# KiCad board After Huzaifa Antuley fixed DRC.kicad_pcb (continued)
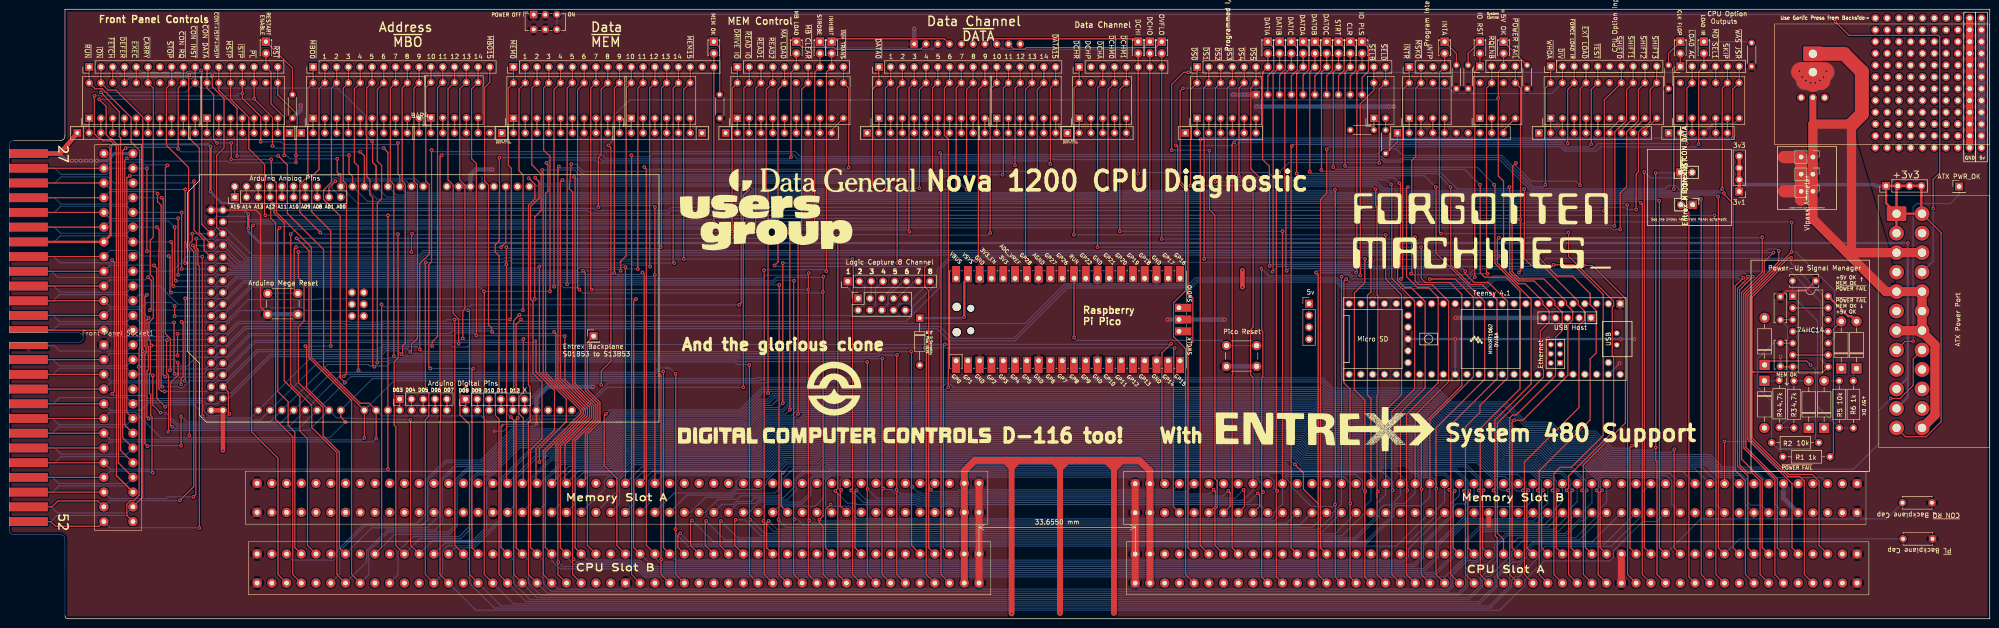
[diagram p0: board, top side]
## Routing (per net, layer and track width the routed paths; a pad name or vN(x,y) marks a point on that pad's centre or on a via; arc(x,y) is an arc through that point) (continued)
~{MBO12}: length 501.1
  Top w0.25: 113.51,59.98 v2(113.48,59.94) 113.51,59.91 113.51,53.21 117.49,49.23 117.49,40.69 113.51,36.7 113.51,29.43 J15.39 ; v1(31.94,91.69) 31.94,89.94 32.73,89.15 32.73,50.27 v1(32.96,50.04) ; v1(96.84,59.31) 96.84,64.65 95.65,65.84 95.65,93.55 94.53,94.66 94.53,114.26 BAR4.18 J6.13 ; Front Panel Socket1.30 J5.30 ; J2.39 336.56,15.29 336.56,27.38 v1(336.87,27.69)
  Bottom w0.25: v1(32.96,50.04) 36.42,50.04 36.64,49.82 37.32,49.82 38.81,51.31 43.91,51.31 45.18,52.58 46.04,52.58 53.06,59.6 96.55,59.6 v1(96.84,59.31) 97.12,59.6 113.13,59.6 v2(113.48,59.94) ; Front Panel Socket1.30 21.71,92.13 31.51,92.13 v1(31.94,91.69) ; v1(336.87,27.69) 336.49,28.07 336.49,29.86 334.55,31.81 330.74,31.81 328.72,33.83 321.74,33.83 317.83,37.74 307.04,37.74 304.18,40.61 281.56,40.61 279.93,42.24 172.04,42.24 170.85,41.05 164.25,41.05 160.48,37.29 132.95,37.29 129.42,33.76 118.94,33.76 114.39,29.21 J15.39
~{MBO13}: length 498.8
  Top w0.25: v1(339.92,27.69) 339.66,27.43 339.66,15.36 J2.37 ; J6.14 BAR4.17 97.08,114.26 97.08,94.66 98.19,93.55 98.19,66.88 97.73,66.42 v1(97.73,60.45) ; 110.55,29.21 110.77,29.43 110.77,43.28 109.84,44.22 109.84,47.83 110.77,48.77 110.77,60.29 v1(110.81,60.33) 110.77,60.36 ; v1(33.59,52.2) 33.18,52.61 33.18,90.58 33.09,90.68 v1(32.83,90.81) 32.96,90.81
  Bottom w0.25: J5.4 9.72,90.81 11.11,89.41 25.26,89.41 Front Panel Socket1.4 v1(32.83,90.81) ; v1(33.59,52.2) 33.68,52.11 43.03,52.11 44.85,53.93 46.75,53.93 52.87,60.05 97.32,60.05 v1(97.73,60.45) 98.13,60.05 110.53,60.05 v1(110.81,60.33) ; 110.55,29.21 111.22,29.21 116.67,34.66 129.05,34.66 132.58,38.19 160.11,38.19 163.87,41.95 170.47,41.95 171.66,43.14 280.3,43.14 281.94,41.51 304.55,41.51 307.42,38.64 318.2,38.64 322.11,34.73 329.09,34.73 331.11,32.71 336.82,32.71 339.74,29.79 339.74,27.87 v1(339.92,27.69)
~{MBO14}: length 463.8
  Top w0.25: J2.43 330.21,15.29 330.21,27.38 v1(330.52,27.69) ; v1(35.62,52.83) 35.5,52.96 v1(35.5,63.88) ; J15.43 119.74,29.55 119.74,37.59 125.5,43.36 125.5,45.79 119.74,51.56 119.74,60.92 v1(119.7,60.96) 119.74,61 ; v1(100.65,61.09) 100.65,98.17 99.61,99.21 99.61,114.26 BAR4.16 J6.15
  Bottom w0.25: v1(330.52,27.69) 330.21,28 330.21,29.79 327.97,32.03 320.99,32.03 317.08,35.94 306.3,35.94 303.43,38.81 280.82,38.81 279.18,40.44 172.78,40.44 171.59,39.25 164.99,39.25 161.23,35.49 133.71,35.49 130.18,31.96 122.83,31.96 J15.43 ; J5.12 9.46,65.41 10.79,64.08 25.33,64.08 Front Panel Socket1.12 28.31,63.75 34.74,63.75 34.86,63.88 v1(35.5,63.88) ; v1(35.62,52.83) 41.85,52.83 42.78,53.77 43.99,53.77 45.34,55.12 46.04,55.12 51.97,61.05 95.82,61.05 96.43,61.65 100.08,61.65 v1(100.65,61.09) 100.69,61.05 119.61,61.05 v1(119.7,60.96)
~{MBO15}: length 502
  Top w0.25: v1(104.08,61.85) 103.95,61.98 103.95,62.74 103.27,63.42 103.27,93.55 102.44,94.37 102.44,114.6 103.55,115.7 ; J2.41 333.38,15.29 333.38,27.38 v1(333.69,27.69) ; v1(34.61,53.59) 34.7,53.68 34.7,60.4 33.63,61.47 33.63,97.32 v1(34.1,97.79) ; J6.16 103.57,115.72 ; J15.41 117.78,30.09 117.78,37.59 117.79,37.59 124.16,43.96 124.16,45.15 117.78,51.53 117.78,61.48 v1(117.41,61.85) ; Front Panel Socket1.28 J5.28
  Bottom w0.25: J15.41 120.55,32.86 129.8,32.86 133.33,36.39 160.86,36.39 164.62,40.15 171.22,40.15 172.41,41.34 279.55,41.34 281.19,39.71 303.8,39.71 306.67,36.84 317.46,36.84 321.36,32.93 328.34,32.93 330.37,30.91 332.27,30.91 333.38,29.79 333.38,28 v1(333.69,27.69) ; v1(34.61,53.59) 34.86,53.85 42.23,53.85 44.85,56.47 46.75,56.47 51.78,61.5 94.93,61.5 95.54,62.1 103.82,62.1 v1(104.08,61.85) 104.43,61.5 117.06,61.5 v1(117.41,61.85) ; Front Panel Socket1.28 21.71,98.48 28.33,98.48 28.89,97.92 33.97,97.92 v1(34.1,97.79)
~{MD SEL1}: length 233.5
  Top w0.25: v1(254.06,117.86) 253.13,117.86 250.49,115.22 v1(250.49,101.07) ; v1(258.64,100.97) 258.64,88.21 259.81,87.03 259.81,30.24 260.31,29.75 260.31,24.1 259.81,23.6 259.81,15.83 J2.87 ; J17.4 BAR16.17
  Bottom w0.25: v1(250.49,101.07) 258.54,101.07 v1(258.64,100.97) ; J17.4 366.43,117.82 254.1,117.82 v1(254.06,117.86) 254.03,117.82
~{MEM0}: length 491.9
  Top w0.25: v1(107.89,64.52) 108.19,64.82 108.19,97.13 107.52,97.79 107.52,114.45 BAR5.20 J7.1 ; 5.27,61.85 5.66,62.23 Front Panel Socket1.39 ; J3.71 96,15.82 96,64.46 v1(95.95,64.52) 96,64.57
  Bottom w0.25: J3.71 99.18,12.65 99.18,7.68 104.57,2.29 319.12,2.29 319.61,2.78 ; J16.71 351.91,27.28 351.91,22.31 345.22,15.62 330.9,15.62 329.69,14.41 329.69,13.39 325.31,9.02 324.55,9.02 323.79,8.25 323.79,6.96 319.61,2.78 ; 319.61,2.78 319.24,2.41 ; Front Panel Socket1.39 21.78,60.83 34.24,60.83 34.87,60.2 43.5,60.2 44.85,61.55 46.75,61.55 49.34,64.14 73.31,64.14 73.48,63.97 80.37,63.97 80.54,64.14 93.92,64.14 94.3,64.52 v1(95.95,64.52) v1(107.89,64.52)
~{MEM1}: length 491.6
  Top w0.25: v1(98.87,66.55) 99.18,66.24 99.18,50.93 97.14,48.89 97.14,43.95 99.18,41.91 99.18,9.55 J3.70 ; J7.2 BAR5.19 109.84,114.22 109.84,96.62 110.73,95.73 110.73,66.59 v1(110.68,66.55) 110.73,66.5 ; Front Panel Socket1.41 J5.41 ; v1(36.26,61.47) v1(36.26,56.77)
  Bottom w0.25: 36.26,56.64 v1(36.26,56.77) 28.31,56.77 27.88,57.21 21.71,57.21 Front Panel Socket1.41 ; v1(110.68,66.55) v1(98.87,66.55) 98.79,66.47 63.95,66.47 63.36,67.06 54.88,67.06 54.29,66.47 49.77,66.47 46.04,62.74 45.18,62.74 43.91,61.47 v1(36.26,61.47) ; J3.70 105.97,2.77 318.96,2.77 323.33,7.14 323.33,9.6 326.96,13.23 326.96,14.44 328.66,16.13 343.85,16.13 J16.70
~{MEM2}: length 434.7
  Top w0.25: 135.95,13.97 134.56,15.37 134.56,68.45 v1(135.07,68.96) ; J7.3 BAR5.18 112.6,114.45 112.6,97.92 114.6,95.92 114.6,88.01 113.22,86.63 v1(113.22,68.96)
  Bottom w0.25: v1(135.07,68.96) 135.02,69.01 113.27,69.01 v1(113.22,68.96) 113.18,69.01 66.69,69.01 66.59,68.91 65.89,68.91 65.82,68.84 51.5,68.84 46.75,64.09 44.85,64.09 42.99,62.23 Front Panel Socket1.13 25.33,63.56 10.79,63.56 9.57,62.38 J5.13 ; J16.47 315.66,26.8 313.63,24.77 313.63,24.77 311.85,24.77 311.08,24 311.08,22.13 304.74,15.78 304.74,13.23 302.8,11.29 138.64,11.29 135.95,13.97
~{MEM3}: length 499.7
  Top w0.25: 37.02,63.88 v1(37.15,64.01) 37.46,63.7 37.46,52.2 37.02,51.76 v1(37.02,50.55) 37.02,50.42 ; 102.36,70.67 v1(102.3,70.61) 102.36,70.56 102.36,49.17 102.22,49.03 102.22,43.6 102.36,43.47 102.36,9.55 J3.68 ; J7.4 BAR5.17 115.15,114.45 115.15,101.09 116.52,99.71 v1(116.52,70.61) ; Front Panel Socket1.43 J5.43
  Bottom w0.25: J3.68 108.69,3.22 316.87,3.22 320.61,6.96 320.61,8.89 323.99,12.27 325.36,12.27 326.51,13.41 326.51,13.72 ; J16.68 341.13,16.58 328.43,16.58 326.51,14.66 326.51,13.72 ; Front Panel Socket1.43 21.71,50.86 36.71,50.86 v1(37.02,50.55) ; 326.51,14.51 326.51,13.72 ; v1(116.52,70.61) v1(102.3,70.61) 101.37,71.55 52.31,71.55 46.04,65.28 45.18,65.28 43.91,64.01 v1(37.15,64.01)
~{MEM4}: length 402
  Top w0.25: J7.5 BAR5.16 117.4,114.16 117.4,71.65 v1(117.41,71.63) ; 165.85,71.94 v1(165.93,72.01) 165.85,21.39 v1(165.8,21.34) 165.85,21.28 165.85,9.55 J3.28 ; v1(35.62,67.44) v1(35.62,65.28) ; Front Panel Socket1.37 J5.37
  Bottom w0.25: Front Panel Socket1.37 21.71,67.26 28.71,67.26 29.66,68.2 34.86,68.2 v1(35.62,67.44) ; J16.28 280.76,19.71 167.43,19.71 v1(165.8,21.34) ; v1(35.62,65.28) 43.5,65.28 44.69,66.47 46.59,66.47 52.12,72 117.04,72 v1(117.41,71.63) 117.78,72 118.94,72 119.52,71.41 122.27,71.41 122.85,72 165.91,72 v1(165.93,72.01)
~{MEM5}: length 402.6
  Top w0.25: v1(120.21,72.14) 120.22,72.15 120.22,114.49 BAR5.15 121.35,115.62 J7.6 ; Front Panel Socket1.36 J5.36 ; 169.03,72.97 v1(169.1,72.9) 169.03,72.83 169.03,21.66 v1(169.23,21.46) 169.03,21.26 169.03,9.55 J3.26 ; v1(29.91,73.66) 30.59,72.99 30.59,66.84 v1(30.29,66.55)
  Bottom w0.25: J16.26 278.04,20.16 171.17,20.16 169.86,21.46 v1(169.23,21.46) ; Front Panel Socket1.36 21.71,73.08 29.33,73.08 v1(29.91,73.66) ; v1(30.29,66.55) 43.91,66.55 45.18,67.82 46.04,67.82 50.67,72.45 119.9,72.45 v1(120.21,72.14) 120.52,72.45 164.78,72.45 165.33,72.99 169.01,72.99 v1(169.1,72.9)
~{MEM6}: length 446.8
  Top w0.25: J7.7 BAR5.14 122.47,114.16 122.47,71.39 v1(122.87,70.99) ; J3.22 175.38,9.55 175.38,19.81 174.56,20.63 v1(174.56,21.34) 175.38,22.15 175.38,70.43 v1(175.32,70.49) 175.38,70.54 175.38,73.72 v1(175.45,73.79) 175.38,73.86
  Bottom w0.25: J5.10 9.59,71.76 10.92,70.43 25.33,70.43 Front Panel Socket1.10 32.44,71.76 36.38,67.82 43.5,67.82 44.69,69.01 46.59,69.01 50.48,72.9 160.47,72.9 160.47,72.9 164.6,72.9 165.32,73.62 175.29,73.62 v1(175.45,73.79) ; 174.44,21.34 v1(174.56,21.34) 174.56,21.21 174.69,21.08 272.61,21.08 J16.22 ; v1(175.32,70.49) 175.11,70.27 123.47,70.27 v1(122.87,70.99) 122.87,70.87
~{MEM7}: length 458.4
  Top w0.25: J3.24 172.2,9.55 172.2,21.01 v1(172.4,21.21) 172.2,21.41 172.2,70.94 v1(172.15,70.99) 172.2,71.05 172.2,74.48 v1(172.28,74.55) 172.2,74.62 ; J7.8 BAR5.13 125.31,114.45 125.31,71.23 v1(125.54,70.99) ; v1(37.78,51.31) 37.91,51.44 v1(37.91,69.09) ; Front Panel Socket1.42 J5.42
  Bottom w0.25: Front Panel Socket1.42 21.78,51.31 v1(37.78,51.31) ; v1(125.54,70.99) v1(172.15,70.99) ; J16.24 275.31,20.61 173,20.61 v1(172.4,21.21) ; 38.16,69.09 v1(37.91,69.09) 44.13,69.09 45.4,70.36 46.04,70.36 49.03,73.35 135.7,73.35 135.7,73.35 162.37,73.35 163.1,74.07 171.8,74.07 v1(172.28,74.55)
~{MEM8}: length 442.2
  Top w0.25: v1(34.86,70.36) 34.65,70.58 34.65,77.96 34.63,77.96 v1(34.35,78.23) ; v1(311.47,27.56) 311.16,27.25 311.16,15.29 J2.55 ; Front Panel Socket1.34 J5.34 ; J7.9 BAR5.12 127.56,114.16 127.56,100.08 126.94,99.46 v1(126.94,88.77) ; v1(139.13,88.77) v1(139.13,74.17) J15.55
  Bottom w0.25: v1(34.35,78.23) 28.4,78.23 27.2,79.43 21.71,79.43 Front Panel Socket1.34 ; v1(126.94,88.77) 127.79,89.12 138.78,89.12 v1(139.13,88.77) ; v1(311.47,27.56) 311.16,27.87 311.16,29.79 309.57,31.38 304.49,31.38 301.57,34.31 278.95,34.31 277.32,35.94 174.75,35.94 173.56,34.75 166.89,34.75 163.13,30.99 140.91,30.99 J15.55 ; v1(34.86,70.36) 43.5,70.36 44.85,71.71 46.75,71.71 48.84,73.8 128.34,73.8 128.34,73.8 138.76,73.8 v1(139.13,74.17)
~{MEM9}: length 436.2
  Top w0.25: v1(130.37,74.55) 130.38,74.57 130.38,114.45 BAR5.11 J7.10 ; v1(35.37,71.76) 35.12,72.01 35.12,81.03 v1(34.86,81.28) ; v1(314.64,27.56) 314.33,27.25 314.33,15.29 J2.53 ; 135.95,29.21 136.83,30.09 136.83,74.31 v1(136.46,74.68)
  Bottom w0.25: v1(314.64,27.56) 314.33,27.87 314.33,29.79 311.79,32.34 304.81,32.34 301.94,35.21 279.33,35.21 277.69,36.84 174.37,36.84 173.18,35.65 166.52,35.65 162.76,31.89 138.63,31.89 135.95,29.21 ; v1(34.86,81.28) Front Panel Socket1.7 25.33,82.61 11.04,82.61 9.72,81.28 4.15,81.28 ; v1(35.37,71.76) 35.5,71.63 43.91,71.63 45.18,72.9 46.04,72.9 47.39,74.25 121.35,74.25 121.35,74.25 130.07,74.25 v1(130.37,74.55) 130.67,74.25 136.03,74.25 v1(136.46,74.68)
~{MEM10}: length 463.7
  Top w0.25: J7.11 BAR6.20 132.93,114.45 132.93,78.25 131.76,77.09 v1(131.76,75.06) 131.76,74.93 ; Front Panel Socket1.32 J5.32 ; J2.45 327.04,15.29 327.04,27.38 v1(327.34,27.69) 327.04,28 ; v1(35.62,84.46) 35.66,84.42 35.66,73.12 v1(35.88,72.9) ; J15.45 124.13,30.09 124.13,39.94 126.85,42.66 126.85,46.49 124.13,49.22 124.13,74.56 v1(123.64,75.06)
  Bottom w0.25: v1(327.34,27.69) 326.84,28.19 326.84,29.35 325.06,31.13 320.62,31.13 316.71,35.04 305.93,35.04 303.06,37.91 280.45,37.91 278.81,39.54 173.16,39.54 171.96,38.35 165.38,38.35 161.62,34.59 134.08,34.59 130.55,31.06 125.1,31.06 J15.45 ; v1(35.62,84.46) 34.3,85.78 21.71,85.78 Front Panel Socket1.32 ; v1(35.88,72.9) 43.5,72.9 44.77,74.17 46.67,74.17 47.2,74.7 51.75,74.7 51.76,74.7 123.28,74.7 v1(123.64,75.06) 128.84,75.06 129.12,75.33 131.49,75.33 v1(131.76,75.06)
~{MEM11}: length 445.6
  Top w0.25: v1(317.69,27.69) 317.51,27.5 317.51,15.29 J2.51 ; Front Panel Socket1.31 J5.31 ; J7.12 BAR6.19 135.47,114.45 v1(135.45,75.44) 135.47,75.46 ; J15.51 v1(132.78,75.82) ; v1(36.39,74.17) v1(36.39,86.36)
  Bottom w0.25: v1(135.45,75.44) 133.16,75.44 v1(132.78,75.82) 132.74,75.78 122.87,75.78 122.24,75.15 47.82,75.15 47.82,75.15 47.53,75.44 45.18,75.44 43.91,74.17 v1(36.39,74.17) ; v1(317.69,27.69) 317.51,27.87 317.51,29.79 314.06,33.24 305.18,33.24 302.31,36.11 279.7,36.11 278.06,37.74 174,37.74 172.81,36.55 166.13,36.55 162.37,32.79 136.36,32.79 J15.51 ; v1(36.39,86.36) 36.33,86.31 21.71,86.31 Front Panel Socket1.31 21.59,86.43
~{MEM12}: length 517.4
  Top w0.25: v1(37.15,87.63) v1(37.15,75.44) ; v1(342.08,27.69) 342.38,27.38 342.38,9.54 J2.36 ; v1(138.11,75.95) 138,76.06 138,114.45 BAR6.18 J7.13 ; v1(114.24,75.95) 114.24,53.16 120.03,47.37 120.03,42.5 114.24,36.7 v1(114.24,33.78)
  Bottom w0.25: 107.38,22.94 108.78,24.34 108.78,29.85 114.04,35.11 115.89,35.11 ; v1(37.15,87.63) Front Panel Socket1.5 25.33,88.96 11.04,88.96 9.72,87.63 J5.5 ; 115.89,35.11 128.84,35.11 132.37,38.64 159.92,38.64 163.69,42.4 170.29,42.4 171.48,43.59 280.49,43.59 282.12,41.96 304.74,41.96 307.6,39.09 318.39,39.09 322.3,35.18 329.28,35.18 331.29,33.16 338.9,33.16 342.46,29.61 342.46,28.07 v1(342.08,27.69) ; 115.89,35.11 115.69,35.11 v1(114.24,33.78) 114.37,33.78 ; v1(37.15,75.44) 43.5,75.44 44.69,76.63 47.3,76.63 48.33,75.6 113.89,75.6 v1(114.24,75.95) 114.55,76.26 132.19,76.26 132.48,76.54 133.96,76.54 134.25,76.26 137.61,76.26 137.92,75.95 v1(138.11,75.95) 137.99,75.95
~{MEM13}: length 508.9
  Top w0.25: J2.35 342.83,15.36 342.83,27.3 v1(343.22,27.69) ; 20.38,93.98 4.15,93.98 ; v1(107.13,76.45) 107.16,76.42 107.16,49.47 107.17,49.46 107.17,41.97 107.16,41.97 107.16,29.43 ; v1(107.13,76.45) v1(107.13,80.14) ; v1(107.13,76.45) 107.16,76.49 ; v1(37.91,92.58) 37.91,81.27 37.86,81.21 37.86,76.76 v1(37.91,76.71) ; J7.14 BAR6.17 140.54,114.45 140.54,80.28 v1(140.4,80.14)
  Bottom w0.25: v1(140.4,80.14) 140.15,79.88 140.15,79.86 107.41,79.86 v1(107.13,80.14) ; v1(37.91,92.58) 21.78,92.58 20.38,93.98 ; v1(343.22,27.69) 342.91,28 342.91,29.79 339.05,33.66 331.54,33.66 329.56,35.63 322.48,35.63 318.57,39.54 307.79,39.54 304.92,42.41 282.31,42.41 280.67,44.04 171.29,44.04 170.1,42.85 163.5,42.85 159.74,39.09 132.19,39.09 128.66,35.56 113.73,35.56 J15.35 ; v1(107.13,76.45) 106.72,76.05 48.6,76.05 46.67,77.98 45.18,77.98 43.91,76.71 v1(37.91,76.71)
~{MEM14}: length 575.4
  Top w0.25: 89.66,76.91 v1(89.73,76.84) 89.66,76.76 89.66,49.4 90.41,48.65 90.41,43.68 89.66,42.93 89.66,9.55 J3.76 ; v1(39.82,94.36) 39.82,83.82 41.97,81.66 41.97,79.5 43.5,77.98 ; v1(143.32,76.71) 143.07,76.96 143.07,114.43 BAR6.16 J7.15
  Bottom w0.25: 169.16,44.39 168.52,43.75 163.13,43.75 159.36,39.99 131.81,39.99 128.28,36.46 112.12,36.46 105.53,29.87 105.53,21.27 100.01,15.75 94.59,15.75 93.36,14.52 93.36,9.55 J3.76 ; 169.16,44.39 169.71,44.94 ; 169.16,44.39 169.71,44.94 ; 169.71,44.94 281.05,44.94 282.68,43.31 305.29,43.31 308.16,40.44 318.95,40.44 322.85,36.53 329.93,36.53 331.91,34.56 339.42,34.56 343.07,30.91 357.03,30.91 358.26,29.68 358.26,24.71 J16.76 ; v1(143.32,76.71) 134.56,76.71 134.18,77.09 131.76,77.09 131.38,76.71 108.52,76.71 108.05,77.18 106.83,77.18 106.48,76.84 v1(89.73,76.84) 89.39,76.5 49.21,76.5 46.55,79.17 44.69,79.17 43.5,77.98 ; v1(39.82,94.36) 39.43,93.98 22.47,93.98 21.15,95.31 11.17,95.31 9.84,93.98 4.15,93.98
~{MEM15}: length 407.4
  Top w0.25: v1(269.05,27.05) 269.44,26.67 269.44,24.26 J16.18 ; v1(29.66,79.25) v1(29.66,97.16) ; J7.16 146.75,115.62 BAR6.15 145.34,114.2 145.34,77.62 v1(145.35,77.6) ; J3.18 181.73,9.55 181.73,27.38 v1(181.42,27.69) 181.73,28 181.73,70.37 181.83,70.47 181.83,77.44 v1(181.68,77.6) 181.73,77.65
  Bottom w0.25: v1(269.05,27.05) 267.08,25.08 206,25.08 205.64,24.72 201.36,24.72 ; v1(181.68,77.6) 181.64,77.56 145.39,77.56 v1(145.35,77.6) 145.32,77.56 108.4,77.56 108.11,77.85 106.87,77.85 106.58,77.56 89.32,77.56 88.71,76.95 49.61,76.95 46.04,80.52 45.18,80.52 43.91,79.25 v1(29.66,79.25) ; J5.2 9.84,97.16 11.17,95.83 20.93,95.83 22.26,97.16 Front Panel Socket1.2 v1(29.66,97.16) ; v1(181.42,27.69) 184.03,25.08 195.48,25.08 195.84,24.72 201.87,24.72
~{MSKO}: length 409.1
  Top w0.25: v1(302.07,74.42) 302.24,74.59 302.24,98.83 303.11,99.7 303.11,114.45 BAR13.19 J13.2 ; J2.38 339.21,9.54 339.21,27.38 v1(338.9,27.69) 339.21,28 339.21,33.15 348.28,42.22 348.28,69.07 341.15,76.2 v1(339.28,76.2) 339.21,76.27
  Bottom w0.25: v1(338.9,27.69) 339.21,28 339.21,29.68 336.63,32.26 330.93,32.26 328.9,34.28 321.92,34.28 318.02,38.19 307.23,38.19 304.36,41.06 281.75,41.06 280.11,42.69 171.85,42.69 170.66,41.5 164.06,41.5 160.3,37.74 132.76,37.74 129.23,34.21 116.85,34.21 112.41,29.76 112.41,24.79 110.55,22.94 ; v1(302.07,74.42) 302.29,74.21 314.55,74.21 315.79,75.44 336.49,75.44 337.25,76.2 v1(339.28,76.2)
~{MSTP}: length 562.2
  Top w0.25: J9.13 BAR2.18 47.69,112.08 51.63,108.14 51.63,101.35 55.01,97.96 55.01,87.17 v1(55.18,87) ; v1(81.6,87) v1(81.6,32.26) ; J2.20 367.79,9.54 367.79,86.05 367.48,86.36 v1(367.48,87) ; Front Panel Socket1.48 J5.48
  Bottom w0.25: v1(367.48,87) v1(81.6,87) v1(55.18,87) ; 81.6,32.26 v1(81.6,32.26) 28.13,32.26 21.78,32.26 Front Panel Socket1.48 21.71,32.33
~{PL}: length 598.3
  Top w0.25: Front Panel Socket1.23 23.53,33.61 23.53,102.02 22.05,103.51 21.76,103.51 20.88,104.39 20.88,110.51 v1(19.37,112.01) ; J2.19 368.31,15.29 368.31,90.99 v1(368.24,91.06) ; 56.72,101.96 v1(56.71,101.98) 56.72,102 56.72,108.13 52.77,112.08 v1(52.77,112.14) BAR2.16 J9.15 ; 81.6,93.22 81.6,100.58 v1(80.71,101.47)
  Bottom w0.25: v1(52.77,112.14) 52.64,112.01 v1(19.37,112.01) ; J2.19 372.91,17.23 C1.2 ; 81.6,93.22 83.45,91.37 367.93,91.37 v1(368.24,91.06) ; Front Panel Socket1.23 25.33,29.16 10.66,29.16 9.34,30.48 4.15,30.48 ; v1(80.71,101.47) 57.47,101.47 56.96,101.98 v1(56.71,101.98)
~{POWER FAIL}: length 502.6
  Top w0.25: 375.97,53.21 375.58,53.59 ; 375.97,53.21 390.84,53.21 U1.8 ; 375.97,53.21 375.83,53.21 375.58,52.96 ; 375.58,53.59 375.58,52.96 ; 375.58,53.59 375.58,69.35 381.54,75.31 v1(381.95,75.31) ; v1(325.31,74.68) 325.68,75.04 325.68,86 v1(325.57,86.11) 325.68,86.22 325.68,114.45 BAR14.17 J14.4 ; 375.58,52.96 375.58,39.03 383.48,31.13 388.56,31.13 390.01,29.68 390.01,15.81 J2.5
  Bottom w0.25: 43.5,85.6 44.69,86.79 50.94,86.79 51.68,86.05 151.25,86.05 151.53,86.32 325.35,86.32 v1(325.57,86.11) ; U1.8 390.34,55.96 390.34,68.42 383.45,75.31 v1(381.95,75.31) 381.63,74.99 325.62,74.99 v1(325.31,74.68)
~{READ1}: length 542.5
  Top w0.25: v1(160.85,83.57) 160.87,83.58 160.87,114.45 BAR7.18 J18.3 ; v1(86.81,83.06) 86.68,82.93 v1(86.68,79.12) ; J3.87 71.13,15.3 71.13,35.94 67.63,39.44 67.63,45.59 62.3,50.93 62.3,62.99 63.52,64.21 63.52,72.31 62.3,73.53 v1(62.3,79.12)
  Bottom w0.25: J16.87 376.49,31.81 368.87,31.81 366.16,34.52 344.61,34.52 340.97,38.16 333.4,38.16 331.42,40.13 324.35,40.13 320.44,44.04 309.65,44.04 306.79,46.91 284.17,46.91 282.52,48.56 164.53,48.56 163.33,47.35 161.58,47.35 157.92,43.69 130.43,43.69 126.79,40.06 108.72,40.06 101.95,33.29 96.25,33.29 92.83,29.87 92.83,22.4 90.06,19.63 78.11,19.63 J3.87 ; v1(86.68,79.12) v1(62.3,79.12) ; v1(86.81,83.06) 87.02,82.84 160.12,82.84 v1(160.85,83.57)
~{READ2}: length 424.7
  Top w0.25: v1(163.51,48.64) 163.51,92.42 163.12,92.82 163.12,114.16 BAR7.17 J18.4
  Bottom w0.25: 164.4,49.01 163.88,49.01 v1(163.51,48.64) 163.15,49.01 162.88,49.01 ; 164.4,49.01 162.88,49.01 ; 164.4,49.01 282.71,49.01 284.36,47.36 306.97,47.36 309.84,44.49 320.62,44.49 324.53,40.58 331.61,40.58 333.59,38.61 341.16,38.61 344.79,34.97 366.35,34.97 369.06,32.26 377.91,32.26 380.49,29.68 380.49,24.71 J16.90 ; 162.88,49.01 162.6,49.01 157.73,44.14 130.24,44.14 126.61,40.51 108.54,40.51 101.77,33.74 94.16,33.74 90.18,29.76 90.18,21.34 88.92,20.08 76.69,20.08 71.13,14.52 71.13,9.55 J3.90
~{READ IO}: length 505.2
  Top w0.25: v1(157.29,67.69) 157.73,68.13 157.73,92.64 158.31,93.22 158.31,114.43 BAR7.19 J18.2 ; J3.83 80.25,15.41 80.25,67.77 v1(80.2,67.82) 80.25,67.86
  Bottom w0.25: v1(157.29,67.69) 99.59,67.69 99.17,67.27 80.75,67.27 v1(80.2,67.82) ; J16.83 371.49,30.46 368.3,30.46 365.58,33.17 344.05,33.17 340.41,36.81 332.84,36.81 330.86,38.78 323.79,38.78 319.88,42.69 309.1,42.69 306.23,45.56 283.61,45.56 281.96,47.21 165.51,47.21 164.3,46 162.14,46 158.38,42.24 130.88,42.24 127.35,38.71 109.28,38.71 102.51,31.94 98.71,31.94 96.53,29.76 96.53,19.99 94.72,18.19 83.02,18.19 J3.83
~{RQENB}: length 289.3
  Top w0.25: J3.41 144.08,15.37 144.08,17.9 v1(144.59,18.42) ; v1(318.58,74.42) 318.34,74.66 318.34,114.45 BAR14.19 J14.2 ; v1(306.13,73.28) 311.6,73.28 315.53,69.34 315.53,52.2 306.13,42.8 J16.41